# Altium PCB PCB22.PcbDoc (part 10 of 16)
Units mm, origin at the board's own origin, x right, y up, seen from the top; angles counter-clockwise.
Board outline 233.7 x 110.51 mm, 4 copper layers (Top Layer, Layer 1, Layer 2, Bottom Layer), stack 0.603 mm thick; 1249 components, 1355 nets, 4549 pads, 1315 vias.
Unrouted connection lines stored in the file: 1569.
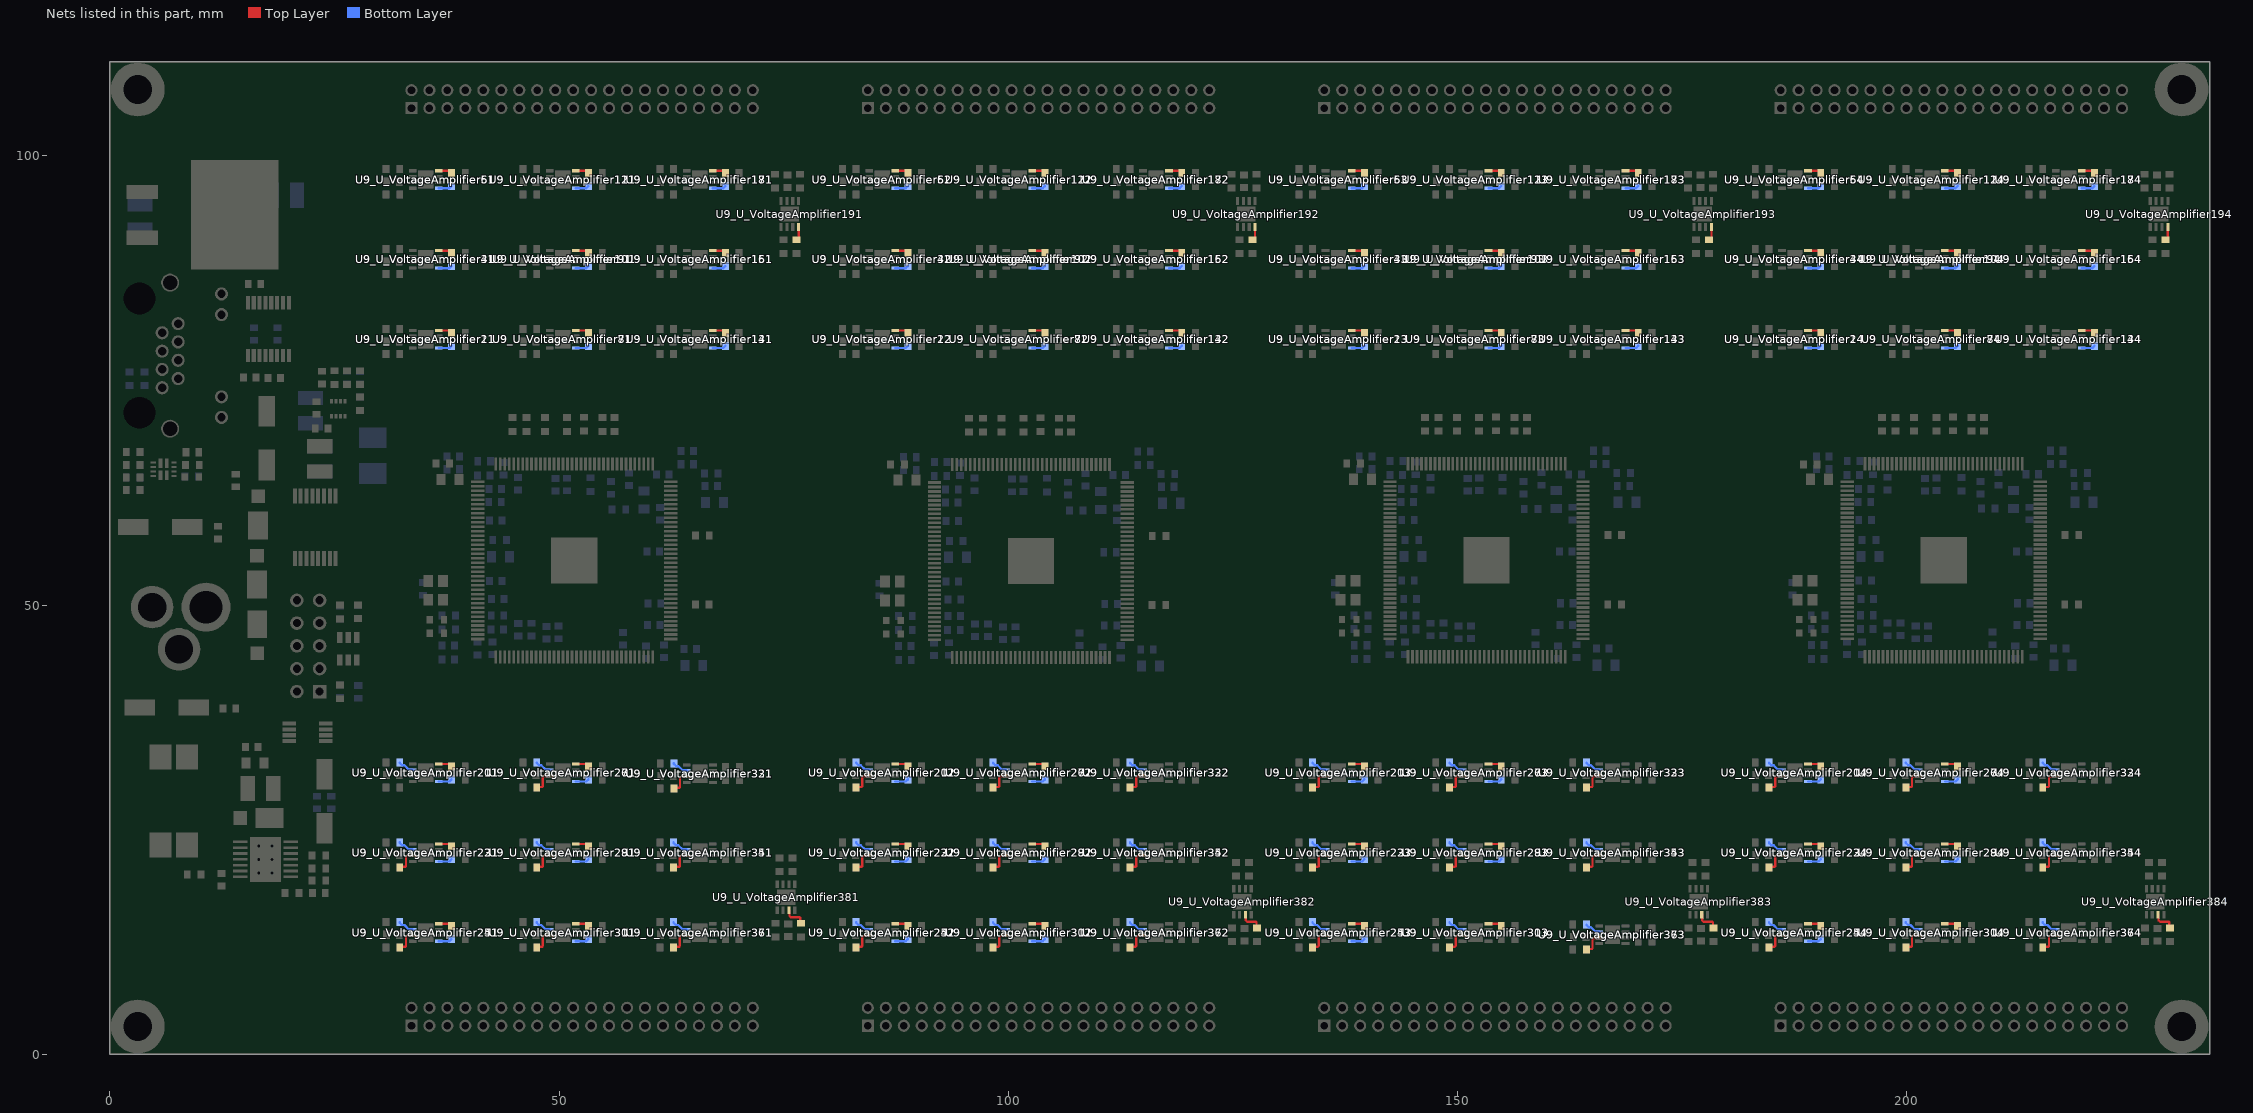
[diagram p12: the nets of this part, all layers, seen from the top]

## Via types
v1: diameter 0.61, hole 0.305, Top Layer to Bottom Layer, 1315 vias

## Nets (pads, with @x,y where several pads share a name; then routed paths per layer and width w, separated by ;. In a path a pad name is that pad's centre, name@x,y a point inside that pad or via, vN(x,y) a via of type N, cw(c..) or ccw(c..) an arc to the next point about the centre after c; other vN are vias at no path point) (continued)
NetR27_U_VoltageAmplifier202_1: R27_U_VoltageAmplifier202.1 U9_U_VoltageAmplifier202.7 | length 2.6
  Top Layer w0.254: R27_U_VoltageAmplifier202.1@83.06,29.697 83.136,29.773 83.673,29.773 83.746,29.846 83.746,30.821 83.895,30.97 84.46,30.97 U9_U_VoltageAmplifier202.7@84.508,31.018
NetR27_U_VoltageAmplifier203_1: R27_U_VoltageAmplifier203.1 U9_U_VoltageAmplifier203.7 | length 2.6
  Top Layer w0.254: R27_U_VoltageAmplifier203.1@133.86,29.697 133.936,29.773 134.473,29.773 134.546,29.846 134.546,30.821 134.695,30.97 135.26,30.97 U9_U_VoltageAmplifier203.7@135.308,31.018
NetR27_U_VoltageAmplifier204_1: R27_U_VoltageAmplifier204.1 U9_U_VoltageAmplifier204.7 | length 2.6
  Top Layer w0.254: R27_U_VoltageAmplifier204.1@184.66,29.697 184.736,29.773 185.273,29.773 185.346,29.846 185.346,30.821 185.495,30.97 186.06,30.97 U9_U_VoltageAmplifier204.7@186.108,31.018
NetR27_U_VoltageAmplifier211_1: R27_U_VoltageAmplifier211.1 U9_U_VoltageAmplifier211.7 | length 1.8
  Bottom Layer w0.254: R27_U_VoltageAmplifier211.1@32.26,32.491 32.26,32.428 32.514,32.174 32.779,32.174 33.237,31.716 33.66,31.716 U9_U_VoltageAmplifier211.7@33.708,31.668
NetR27_U_VoltageAmplifier212_1: R27_U_VoltageAmplifier212.1 U9_U_VoltageAmplifier212.7 | length 1.8
  Bottom Layer w0.254: R27_U_VoltageAmplifier212.1@83.06,32.491 83.06,32.428 83.314,32.174 83.579,32.174 84.037,31.716 84.46,31.716 U9_U_VoltageAmplifier212.7@84.508,31.668
NetR27_U_VoltageAmplifier213_1: R27_U_VoltageAmplifier213.1 U9_U_VoltageAmplifier213.7 | length 1.8
  Bottom Layer w0.254: R27_U_VoltageAmplifier213.1@133.86,32.491 133.86,32.428 134.114,32.174 134.379,32.174 134.837,31.716 135.26,31.716 U9_U_VoltageAmplifier213.7@135.308,31.668
NetR27_U_VoltageAmplifier214_1: R27_U_VoltageAmplifier214.1 U9_U_VoltageAmplifier214.7 | length 1.8
  Bottom Layer w0.254: R27_U_VoltageAmplifier214.1@184.66,32.491 184.66,32.428 184.914,32.174 185.179,32.174 185.637,31.716 186.06,31.716 U9_U_VoltageAmplifier214.7@186.108,31.668
NetR27_U_VoltageAmplifier221_1: R27_U_VoltageAmplifier221.1 U9_U_VoltageAmplifier221.7 | length 2.6
  Top Layer w0.254: R27_U_VoltageAmplifier221.1@32.26,20.807 32.336,20.883 32.873,20.883 32.946,20.956 32.946,21.931 33.095,22.08 33.66,22.08 U9_U_VoltageAmplifier221.7@33.708,22.128
NetR27_U_VoltageAmplifier222_1: R27_U_VoltageAmplifier222.1 U9_U_VoltageAmplifier222.7 | length 2.6
  Top Layer w0.254: R27_U_VoltageAmplifier222.1@83.06,20.807 83.136,20.883 83.673,20.883 83.746,20.956 83.746,21.931 83.895,22.08 84.46,22.08 U9_U_VoltageAmplifier222.7@84.508,22.128
NetR27_U_VoltageAmplifier223_1: R27_U_VoltageAmplifier223.1 U9_U_VoltageAmplifier223.7 | length 2.6
  Top Layer w0.254: R27_U_VoltageAmplifier223.1@133.86,20.807 133.936,20.883 134.473,20.883 134.546,20.956 134.546,21.931 134.695,22.08 135.26,22.08 U9_U_VoltageAmplifier223.7@135.308,22.128
NetR27_U_VoltageAmplifier224_1: R27_U_VoltageAmplifier224.1 U9_U_VoltageAmplifier224.7 | length 2.6
  Top Layer w0.254: R27_U_VoltageAmplifier224.1@184.66,20.807 184.736,20.883 185.273,20.883 185.346,20.956 185.346,21.931 185.495,22.08 186.06,22.08 U9_U_VoltageAmplifier224.7@186.108,22.128
NetR27_U_VoltageAmplifier231_1: R27_U_VoltageAmplifier231.1 U9_U_VoltageAmplifier231.7 | length 1.8
  Bottom Layer w0.254: R27_U_VoltageAmplifier231.1@32.26,23.601 32.26,23.538 32.514,23.284 32.779,23.284 33.237,22.826 33.66,22.826 U9_U_VoltageAmplifier231.7@33.708,22.778
NetR27_U_VoltageAmplifier232_1: R27_U_VoltageAmplifier232.1 U9_U_VoltageAmplifier232.7 | length 1.8
  Bottom Layer w0.254: R27_U_VoltageAmplifier232.1@83.06,23.601 83.06,23.538 83.314,23.284 83.579,23.284 84.037,22.826 84.46,22.826 U9_U_VoltageAmplifier232.7@84.508,22.778
NetR27_U_VoltageAmplifier233_1: R27_U_VoltageAmplifier233.1 U9_U_VoltageAmplifier233.7 | length 1.8
  Bottom Layer w0.254: R27_U_VoltageAmplifier233.1@133.86,23.601 133.86,23.538 134.114,23.284 134.379,23.284 134.837,22.826 135.26,22.826 U9_U_VoltageAmplifier233.7@135.308,22.778
NetR27_U_VoltageAmplifier234_1: R27_U_VoltageAmplifier234.1 U9_U_VoltageAmplifier234.7 | length 1.8
  Bottom Layer w0.254: R27_U_VoltageAmplifier234.1@184.66,23.601 184.66,23.538 184.914,23.284 185.179,23.284 185.637,22.826 186.06,22.826 U9_U_VoltageAmplifier234.7@186.108,22.778
NetR27_U_VoltageAmplifier241_1: R27_U_VoltageAmplifier241.1 U9_U_VoltageAmplifier241.7 | length 2.6
  Top Layer w0.254: R27_U_VoltageAmplifier241.1@32.26,11.917 32.336,11.993 32.873,11.993 32.946,12.066 32.946,13.041 33.095,13.19 33.66,13.19 U9_U_VoltageAmplifier241.7@33.708,13.238
NetR27_U_VoltageAmplifier242_1: R27_U_VoltageAmplifier242.1 U9_U_VoltageAmplifier242.7 | length 2.6
  Top Layer w0.254: R27_U_VoltageAmplifier242.1@83.06,11.917 83.136,11.993 83.673,11.993 83.746,12.066 83.746,13.041 83.895,13.19 84.46,13.19 U9_U_VoltageAmplifier242.7@84.508,13.238
NetR27_U_VoltageAmplifier243_1: R27_U_VoltageAmplifier243.1 U9_U_VoltageAmplifier243.7 | length 2.6
  Top Layer w0.254: R27_U_VoltageAmplifier243.1@133.86,11.917 133.936,11.993 134.473,11.993 134.546,12.066 134.546,13.041 134.695,13.19 135.26,13.19 U9_U_VoltageAmplifier243.7@135.308,13.238
NetR27_U_VoltageAmplifier244_1: R27_U_VoltageAmplifier244.1 U9_U_VoltageAmplifier244.7 | length 2.6
  Top Layer w0.254: R27_U_VoltageAmplifier244.1@184.66,11.917 184.736,11.993 185.273,11.993 185.346,12.066 185.346,13.041 185.495,13.19 186.06,13.19 U9_U_VoltageAmplifier244.7@186.108,13.238
NetR27_U_VoltageAmplifier251_1: R27_U_VoltageAmplifier251.1 U9_U_VoltageAmplifier251.7 | length 1.8
  Bottom Layer w0.254: R27_U_VoltageAmplifier251.1@32.26,14.711 32.26,14.648 32.514,14.394 32.779,14.394 33.237,13.936 33.66,13.936 U9_U_VoltageAmplifier251.7@33.708,13.888
NetR27_U_VoltageAmplifier252_1: R27_U_VoltageAmplifier252.1 U9_U_VoltageAmplifier252.7 | length 1.8
  Bottom Layer w0.254: R27_U_VoltageAmplifier252.1@83.06,14.711 83.06,14.648 83.314,14.394 83.579,14.394 84.037,13.936 84.46,13.936 U9_U_VoltageAmplifier252.7@84.508,13.888
NetR27_U_VoltageAmplifier253_1: R27_U_VoltageAmplifier253.1 U9_U_VoltageAmplifier253.7 | length 1.8
  Bottom Layer w0.254: R27_U_VoltageAmplifier253.1@133.86,14.711 133.86,14.648 134.114,14.394 134.379,14.394 134.837,13.936 135.26,13.936 U9_U_VoltageAmplifier253.7@135.308,13.888
NetR27_U_VoltageAmplifier254_1: R27_U_VoltageAmplifier254.1 U9_U_VoltageAmplifier254.7 | length 1.8
  Bottom Layer w0.254: R27_U_VoltageAmplifier254.1@184.66,14.711 184.66,14.648 184.914,14.394 185.179,14.394 185.637,13.936 186.06,13.936 U9_U_VoltageAmplifier254.7@186.108,13.888
NetR27_U_VoltageAmplifier261_1: R27_U_VoltageAmplifier261.1 U9_U_VoltageAmplifier261.7 | length 2.6
  Top Layer w0.254: R27_U_VoltageAmplifier261.1@47.5,29.697 47.576,29.773 48.113,29.773 48.186,29.846 48.186,30.821 48.335,30.97 48.9,30.97 U9_U_VoltageAmplifier261.7@48.948,31.018
NetR27_U_VoltageAmplifier262_1: R27_U_VoltageAmplifier262.1 U9_U_VoltageAmplifier262.7 | length 2.6
  Top Layer w0.254: R27_U_VoltageAmplifier262.1@98.3,29.697 98.376,29.773 98.913,29.773 98.986,29.846 98.986,30.821 99.135,30.97 99.7,30.97 U9_U_VoltageAmplifier262.7@99.748,31.018
NetR27_U_VoltageAmplifier263_1: R27_U_VoltageAmplifier263.1 U9_U_VoltageAmplifier263.7 | length 2.6
  Top Layer w0.254: R27_U_VoltageAmplifier263.1@149.1,29.697 149.176,29.773 149.713,29.773 149.786,29.846 149.786,30.821 149.935,30.97 150.5,30.97 U9_U_VoltageAmplifier263.7@150.548,31.018
NetR27_U_VoltageAmplifier264_1: R27_U_VoltageAmplifier264.1 U9_U_VoltageAmplifier264.7 | length 2.6
  Top Layer w0.254: R27_U_VoltageAmplifier264.1@199.9,29.697 199.976,29.773 200.513,29.773 200.586,29.846 200.586,30.821 200.735,30.97 201.3,30.97 U9_U_VoltageAmplifier264.7@201.348,31.018
NetR27_U_VoltageAmplifier271_1: R27_U_VoltageAmplifier271.1 U9_U_VoltageAmplifier271.7 | length 1.8
  Bottom Layer w0.254: R27_U_VoltageAmplifier271.1@47.5,32.491 47.5,32.428 47.754,32.174 48.019,32.174 48.477,31.716 48.9,31.716 U9_U_VoltageAmplifier271.7@48.948,31.668
NetR27_U_VoltageAmplifier272_1: R27_U_VoltageAmplifier272.1 U9_U_VoltageAmplifier272.7 | length 1.8
  Bottom Layer w0.254: R27_U_VoltageAmplifier272.1@98.3,32.491 98.3,32.428 98.554,32.174 98.819,32.174 99.277,31.716 99.7,31.716 U9_U_VoltageAmplifier272.7@99.748,31.668
NetR27_U_VoltageAmplifier273_1: R27_U_VoltageAmplifier273.1 U9_U_VoltageAmplifier273.7 | length 1.8
  Bottom Layer w0.254: R27_U_VoltageAmplifier273.1@149.1,32.491 149.1,32.428 149.354,32.174 149.619,32.174 150.077,31.716 150.5,31.716 U9_U_VoltageAmplifier273.7@150.548,31.668
NetR27_U_VoltageAmplifier274_1: R27_U_VoltageAmplifier274.1 U9_U_VoltageAmplifier274.7 | length 1.8
  Bottom Layer w0.254: R27_U_VoltageAmplifier274.1@199.9,32.491 199.9,32.428 200.154,32.174 200.419,32.174 200.877,31.716 201.3,31.716 U9_U_VoltageAmplifier274.7@201.348,31.668
NetR27_U_VoltageAmplifier281_1: R27_U_VoltageAmplifier281.1 U9_U_VoltageAmplifier281.7 | length 2.6
  Top Layer w0.254: R27_U_VoltageAmplifier281.1@47.5,20.807 47.576,20.883 48.113,20.883 48.186,20.956 48.186,21.931 48.335,22.08 48.9,22.08 U9_U_VoltageAmplifier281.7@48.948,22.128
NetR27_U_VoltageAmplifier282_1: R27_U_VoltageAmplifier282.1 U9_U_VoltageAmplifier282.7 | length 2.6
  Top Layer w0.254: R27_U_VoltageAmplifier282.1@98.3,20.807 98.376,20.883 98.913,20.883 98.986,20.956 98.986,21.931 99.135,22.08 99.7,22.08 U9_U_VoltageAmplifier282.7@99.748,22.128
NetR27_U_VoltageAmplifier283_1: R27_U_VoltageAmplifier283.1 U9_U_VoltageAmplifier283.7 | length 2.6
  Top Layer w0.254: R27_U_VoltageAmplifier283.1@149.1,20.807 149.176,20.883 149.713,20.883 149.786,20.956 149.786,21.931 149.935,22.08 150.5,22.08 U9_U_VoltageAmplifier283.7@150.548,22.128
NetR27_U_VoltageAmplifier284_1: R27_U_VoltageAmplifier284.1 U9_U_VoltageAmplifier284.7 | length 2.6
  Top Layer w0.254: R27_U_VoltageAmplifier284.1@199.9,20.807 199.976,20.883 200.513,20.883 200.586,20.956 200.586,21.931 200.735,22.08 201.3,22.08 U9_U_VoltageAmplifier284.7@201.348,22.128
NetR27_U_VoltageAmplifier291_1: R27_U_VoltageAmplifier291.1 U9_U_VoltageAmplifier291.7 | length 1.8
  Bottom Layer w0.254: R27_U_VoltageAmplifier291.1@47.5,23.601 47.5,23.538 47.754,23.284 48.019,23.284 48.477,22.826 48.9,22.826 U9_U_VoltageAmplifier291.7@48.948,22.778
NetR27_U_VoltageAmplifier292_1: R27_U_VoltageAmplifier292.1 U9_U_VoltageAmplifier292.7 | length 1.8
  Bottom Layer w0.254: R27_U_VoltageAmplifier292.1@98.3,23.601 98.3,23.538 98.554,23.284 98.819,23.284 99.277,22.826 99.7,22.826 U9_U_VoltageAmplifier292.7@99.748,22.778
NetR27_U_VoltageAmplifier293_1: R27_U_VoltageAmplifier293.1 U9_U_VoltageAmplifier293.7 | length 1.8
  Bottom Layer w0.254: R27_U_VoltageAmplifier293.1@149.1,23.601 149.1,23.538 149.354,23.284 149.619,23.284 150.077,22.826 150.5,22.826 U9_U_VoltageAmplifier293.7@150.548,22.778
NetR27_U_VoltageAmplifier294_1: R27_U_VoltageAmplifier294.1 U9_U_VoltageAmplifier294.7 | length 1.8
  Bottom Layer w0.254: R27_U_VoltageAmplifier294.1@199.9,23.601 199.9,23.538 200.154,23.284 200.419,23.284 200.877,22.826 201.3,22.826 U9_U_VoltageAmplifier294.7@201.348,22.778
NetR27_U_VoltageAmplifier301_1: R27_U_VoltageAmplifier301.1 U9_U_VoltageAmplifier301.7 | length 2.6
  Top Layer w0.254: R27_U_VoltageAmplifier301.1@47.5,11.917 47.576,11.993 48.113,11.993 48.186,12.066 48.186,13.041 48.335,13.19 48.9,13.19 U9_U_VoltageAmplifier301.7@48.948,13.238
NetR27_U_VoltageAmplifier302_1: R27_U_VoltageAmplifier302.1 U9_U_VoltageAmplifier302.7 | length 2.6
  Top Layer w0.254: R27_U_VoltageAmplifier302.1@98.3,11.917 98.376,11.993 98.913,11.993 98.986,12.066 98.986,13.041 99.135,13.19 99.7,13.19 U9_U_VoltageAmplifier302.7@99.748,13.238
NetR27_U_VoltageAmplifier303_1: R27_U_VoltageAmplifier303.1 U9_U_VoltageAmplifier303.7 | length 2.6
  Top Layer w0.254: R27_U_VoltageAmplifier303.1@149.1,11.917 149.176,11.993 149.713,11.993 149.786,12.066 149.786,13.041 149.935,13.19 150.5,13.19 U9_U_VoltageAmplifier303.7@150.548,13.238
NetR27_U_VoltageAmplifier304_1: R27_U_VoltageAmplifier304.1 U9_U_VoltageAmplifier304.7 | length 2.6
  Top Layer w0.254: R27_U_VoltageAmplifier304.1@199.9,11.917 199.976,11.993 200.513,11.993 200.586,12.066 200.586,13.041 200.735,13.19 201.3,13.19 U9_U_VoltageAmplifier304.7@201.348,13.238
NetR27_U_VoltageAmplifier311_1: R27_U_VoltageAmplifier311.1 U9_U_VoltageAmplifier311.7 | length 1.8
  Bottom Layer w0.254: R27_U_VoltageAmplifier311.1@47.5,14.711 47.5,14.648 47.754,14.394 48.019,14.394 48.477,13.936 48.9,13.936 U9_U_VoltageAmplifier311.7@48.948,13.888
NetR27_U_VoltageAmplifier312_1: R27_U_VoltageAmplifier312.1 U9_U_VoltageAmplifier312.7 | length 1.8
  Bottom Layer w0.254: R27_U_VoltageAmplifier312.1@98.3,14.711 98.3,14.648 98.554,14.394 98.819,14.394 99.277,13.936 99.7,13.936 U9_U_VoltageAmplifier312.7@99.748,13.888
NetR27_U_VoltageAmplifier313_1: R27_U_VoltageAmplifier313.1 U9_U_VoltageAmplifier313.7 | length 1.8
  Bottom Layer w0.254: R27_U_VoltageAmplifier313.1@149.1,14.711 149.1,14.648 149.354,14.394 149.619,14.394 150.077,13.936 150.5,13.936 U9_U_VoltageAmplifier313.7@150.548,13.888
NetR27_U_VoltageAmplifier314_1: R27_U_VoltageAmplifier314.1 U9_U_VoltageAmplifier314.7 | length 1.8
  Bottom Layer w0.254: R27_U_VoltageAmplifier314.1@199.9,14.711 199.9,14.648 200.154,14.394 200.419,14.394 200.877,13.936 201.3,13.936 U9_U_VoltageAmplifier314.7@201.348,13.888
NetR27_U_VoltageAmplifier321_1: R27_U_VoltageAmplifier321.1 U9_U_VoltageAmplifier321.7 | length 2.6
  Top Layer w0.254: R27_U_VoltageAmplifier321.1@62.77,29.606 62.846,29.682 63.383,29.682 63.456,29.755 63.456,30.73 63.605,30.879 64.17,30.879 U9_U_VoltageAmplifier321.7@64.218,30.927
NetR27_U_VoltageAmplifier322_1: R27_U_VoltageAmplifier322.1 U9_U_VoltageAmplifier322.7 | length 2.6
  Top Layer w0.254: R27_U_VoltageAmplifier322.1@113.54,29.697 113.616,29.773 114.153,29.773 114.226,29.846 114.226,30.821 114.375,30.97 114.94,30.97 U9_U_VoltageAmplifier322.7@114.988,31.018
NetR27_U_VoltageAmplifier323_1: R27_U_VoltageAmplifier323.1 U9_U_VoltageAmplifier323.7 | length 2.6
  Top Layer w0.254: R27_U_VoltageAmplifier323.1@164.34,29.697 164.416,29.773 164.953,29.773 165.026,29.846 165.026,30.821 165.175,30.97 165.74,30.97 U9_U_VoltageAmplifier323.7@165.788,31.018
NetR27_U_VoltageAmplifier324_1: R27_U_VoltageAmplifier324.1 U9_U_VoltageAmplifier324.7 | length 2.6
  Top Layer w0.254: R27_U_VoltageAmplifier324.1@215.14,29.697 215.216,29.773 215.753,29.773 215.826,29.846 215.826,30.821 215.975,30.97 216.54,30.97 U9_U_VoltageAmplifier324.7@216.588,31.018
NetR27_U_VoltageAmplifier331_1: R27_U_VoltageAmplifier331.1 U9_U_VoltageAmplifier331.7 | length 1.8
  Bottom Layer w0.254: R27_U_VoltageAmplifier331.1@62.77,32.4 62.77,32.337 63.024,32.083 63.289,32.083 63.747,31.625 64.17,31.625 U9_U_VoltageAmplifier331.7@64.218,31.577
NetR27_U_VoltageAmplifier332_1: R27_U_VoltageAmplifier332.1 U9_U_VoltageAmplifier332.7 | length 1.8
  Bottom Layer w0.254: R27_U_VoltageAmplifier332.1@113.54,32.491 113.54,32.428 113.794,32.174 114.059,32.174 114.517,31.716 114.94,31.716 U9_U_VoltageAmplifier332.7@114.988,31.668
NetR27_U_VoltageAmplifier333_1: R27_U_VoltageAmplifier333.1 U9_U_VoltageAmplifier333.7 | length 1.8
  Bottom Layer w0.254: R27_U_VoltageAmplifier333.1@164.34,32.491 164.34,32.428 164.594,32.174 164.859,32.174 165.317,31.716 165.74,31.716 U9_U_VoltageAmplifier333.7@165.788,31.668
NetR27_U_VoltageAmplifier334_1: R27_U_VoltageAmplifier334.1 U9_U_VoltageAmplifier334.7 | length 1.8
  Bottom Layer w0.254: R27_U_VoltageAmplifier334.1@215.14,32.491 215.14,32.428 215.394,32.174 215.659,32.174 216.117,31.716 216.54,31.716 U9_U_VoltageAmplifier334.7@216.588,31.668
NetR27_U_VoltageAmplifier341_1: R27_U_VoltageAmplifier341.1 U9_U_VoltageAmplifier341.7 | length 2.6
  Top Layer w0.254: R27_U_VoltageAmplifier341.1@62.74,20.807 62.816,20.883 63.353,20.883 63.426,20.956 63.426,21.931 63.575,22.08 64.14,22.08 U9_U_VoltageAmplifier341.7@64.188,22.128
NetR27_U_VoltageAmplifier342_1: R27_U_VoltageAmplifier342.1 U9_U_VoltageAmplifier342.7 | length 2.6
  Top Layer w0.254: R27_U_VoltageAmplifier342.1@113.54,20.807 113.616,20.883 114.153,20.883 114.226,20.956 114.226,21.931 114.375,22.08 114.94,22.08 U9_U_VoltageAmplifier342.7@114.988,22.128
NetR27_U_VoltageAmplifier343_1: R27_U_VoltageAmplifier343.1 U9_U_VoltageAmplifier343.7 | length 2.6
  Top Layer w0.254: R27_U_VoltageAmplifier343.1@164.34,20.807 164.416,20.883 164.953,20.883 165.026,20.956 165.026,21.931 165.175,22.08 165.74,22.08 U9_U_VoltageAmplifier343.7@165.788,22.128
NetR27_U_VoltageAmplifier344_1: R27_U_VoltageAmplifier344.1 U9_U_VoltageAmplifier344.7 | length 2.6
  Top Layer w0.254: R27_U_VoltageAmplifier344.1@215.14,20.807 215.216,20.883 215.753,20.883 215.826,20.956 215.826,21.931 215.975,22.08 216.54,22.08 U9_U_VoltageAmplifier344.7@216.588,22.128
NetR27_U_VoltageAmplifier351_1: R27_U_VoltageAmplifier351.1 U9_U_VoltageAmplifier351.7 | length 1.8
  Bottom Layer w0.254: R27_U_VoltageAmplifier351.1@62.74,23.601 62.74,23.538 62.994,23.284 63.259,23.284 63.717,22.826 64.14,22.826 U9_U_VoltageAmplifier351.7@64.188,22.778
NetR27_U_VoltageAmplifier352_1: R27_U_VoltageAmplifier352.1 U9_U_VoltageAmplifier352.7 | length 1.8
  Bottom Layer w0.254: R27_U_VoltageAmplifier352.1@113.54,23.601 113.54,23.538 113.794,23.284 114.059,23.284 114.517,22.826 114.94,22.826 U9_U_VoltageAmplifier352.7@114.988,22.778
NetR27_U_VoltageAmplifier353_1: R27_U_VoltageAmplifier353.1 U9_U_VoltageAmplifier353.7 | length 1.8
  Bottom Layer w0.254: R27_U_VoltageAmplifier353.1@164.34,23.601 164.34,23.538 164.594,23.284 164.859,23.284 165.317,22.826 165.74,22.826 U9_U_VoltageAmplifier353.7@165.788,22.778
NetR27_U_VoltageAmplifier354_1: R27_U_VoltageAmplifier354.1 U9_U_VoltageAmplifier354.7 | length 1.8
  Bottom Layer w0.254: R27_U_VoltageAmplifier354.1@215.14,23.601 215.14,23.538 215.394,23.284 215.659,23.284 216.117,22.826 216.54,22.826 U9_U_VoltageAmplifier354.7@216.588,22.778
NetR27_U_VoltageAmplifier361_1: R27_U_VoltageAmplifier361.1 U9_U_VoltageAmplifier361.7 | length 2.6
  Top Layer w0.254: R27_U_VoltageAmplifier361.1@62.74,11.917 62.816,11.993 63.353,11.993 63.426,12.066 63.426,13.041 63.575,13.19 64.14,13.19 U9_U_VoltageAmplifier361.7@64.188,13.238
NetR27_U_VoltageAmplifier362_1: R27_U_VoltageAmplifier362.1 U9_U_VoltageAmplifier362.7 | length 2.6
  Top Layer w0.254: R27_U_VoltageAmplifier362.1@113.54,11.917 113.616,11.993 114.153,11.993 114.226,12.066 114.226,13.041 114.375,13.19 114.94,13.19 U9_U_VoltageAmplifier362.7@114.988,13.238
NetR27_U_VoltageAmplifier363_1: R27_U_VoltageAmplifier363.1 U9_U_VoltageAmplifier363.7 | length 2.6
  Top Layer w0.254: R27_U_VoltageAmplifier363.1@164.34,11.663 164.416,11.739 164.953,11.739 165.026,11.812 165.026,12.787 165.175,12.936 165.74,12.936 U9_U_VoltageAmplifier363.7@165.788,12.984
NetR27_U_VoltageAmplifier364_1: R27_U_VoltageAmplifier364.1 U9_U_VoltageAmplifier364.7 | length 2.6
  Top Layer w0.254: R27_U_VoltageAmplifier364.1@215.14,11.917 215.216,11.993 215.753,11.993 215.826,12.066 215.826,13.041 215.975,13.19 216.54,13.19 U9_U_VoltageAmplifier364.7@216.588,13.238
NetR27_U_VoltageAmplifier371_1: R27_U_VoltageAmplifier371.1 U9_U_VoltageAmplifier371.7 | length 1.8
  Bottom Layer w0.254: R27_U_VoltageAmplifier371.1@62.74,14.711 62.74,14.648 62.994,14.394 63.259,14.394 63.717,13.936 64.14,13.936 U9_U_VoltageAmplifier371.7@64.188,13.888
NetR27_U_VoltageAmplifier372_1: R27_U_VoltageAmplifier372.1 U9_U_VoltageAmplifier372.7 | length 1.8
  Bottom Layer w0.254: R27_U_VoltageAmplifier372.1@113.54,14.711 113.54,14.648 113.794,14.394 114.059,14.394 114.517,13.936 114.94,13.936 U9_U_VoltageAmplifier372.7@114.988,13.888
NetR27_U_VoltageAmplifier373_1: R27_U_VoltageAmplifier373.1 U9_U_VoltageAmplifier373.7 | length 1.8
  Bottom Layer w0.254: R27_U_VoltageAmplifier373.1@164.34,14.457 164.34,14.394 164.594,14.14 164.859,14.14 165.317,13.682 165.74,13.682 U9_U_VoltageAmplifier373.7@165.788,13.634
NetR27_U_VoltageAmplifier374_1: R27_U_VoltageAmplifier374.1 U9_U_VoltageAmplifier374.7 | length 1.8
  Bottom Layer w0.254: R27_U_VoltageAmplifier374.1@215.14,14.711 215.14,14.648 215.394,14.394 215.659,14.394 216.117,13.936 216.54,13.936 U9_U_VoltageAmplifier374.7@216.588,13.888
NetR27_U_VoltageAmplifier381_1: R27_U_VoltageAmplifier381.1 U9_U_VoltageAmplifier381.7 | length 2.6
  Top Layer w0.254: U9_U_VoltageAmplifier381.7@75.582,16.038 75.63,15.99 75.63,15.425 75.779,15.276 76.754,15.276 76.827,15.203 76.827,14.666 R27_U_VoltageAmplifier381.1@76.903,14.59
NetR27_U_VoltageAmplifier382_1: R27_U_VoltageAmplifier382.1 U9_U_VoltageAmplifier382.7 | length 2.6
  Top Layer w0.254: U9_U_VoltageAmplifier382.7@126.382,15.53 126.43,15.482 126.43,14.917 126.579,14.768 127.554,14.768 127.627,14.695 127.627,14.158 R27_U_VoltageAmplifier382.1@127.703,14.082
NetR27_U_VoltageAmplifier383_1: R27_U_VoltageAmplifier383.1 U9_U_VoltageAmplifier383.7 | length 2.6
  Top Layer w0.254: U9_U_VoltageAmplifier383.7@177.182,15.53 177.23,15.482 177.23,14.917 177.379,14.768 178.354,14.768 178.427,14.695 178.427,14.158 R27_U_VoltageAmplifier383.1@178.503,14.082
NetR27_U_VoltageAmplifier384_1: R27_U_VoltageAmplifier384.1 U9_U_VoltageAmplifier384.7 | length 2.6
  Top Layer w0.254: U9_U_VoltageAmplifier384.7@227.982,15.53 228.03,15.482 228.03,14.917 228.179,14.768 229.154,14.768 229.227,14.695 229.227,14.158 R27_U_VoltageAmplifier384.1@229.303,14.082
NetR28_U_VoltageAmplifier11_2: R28_U_VoltageAmplifier11.2 U9_U_VoltageAmplifier11.4 | length 1.5
  Top Layer w0.254: U9_U_VoltageAmplifier11.4@36.608,80.578 37.772,80.578 38.026,80.324 R28_U_VoltageAmplifier11.2@38.026,80.319